# KiCad board helios-panel.kicad_pcb (continued)
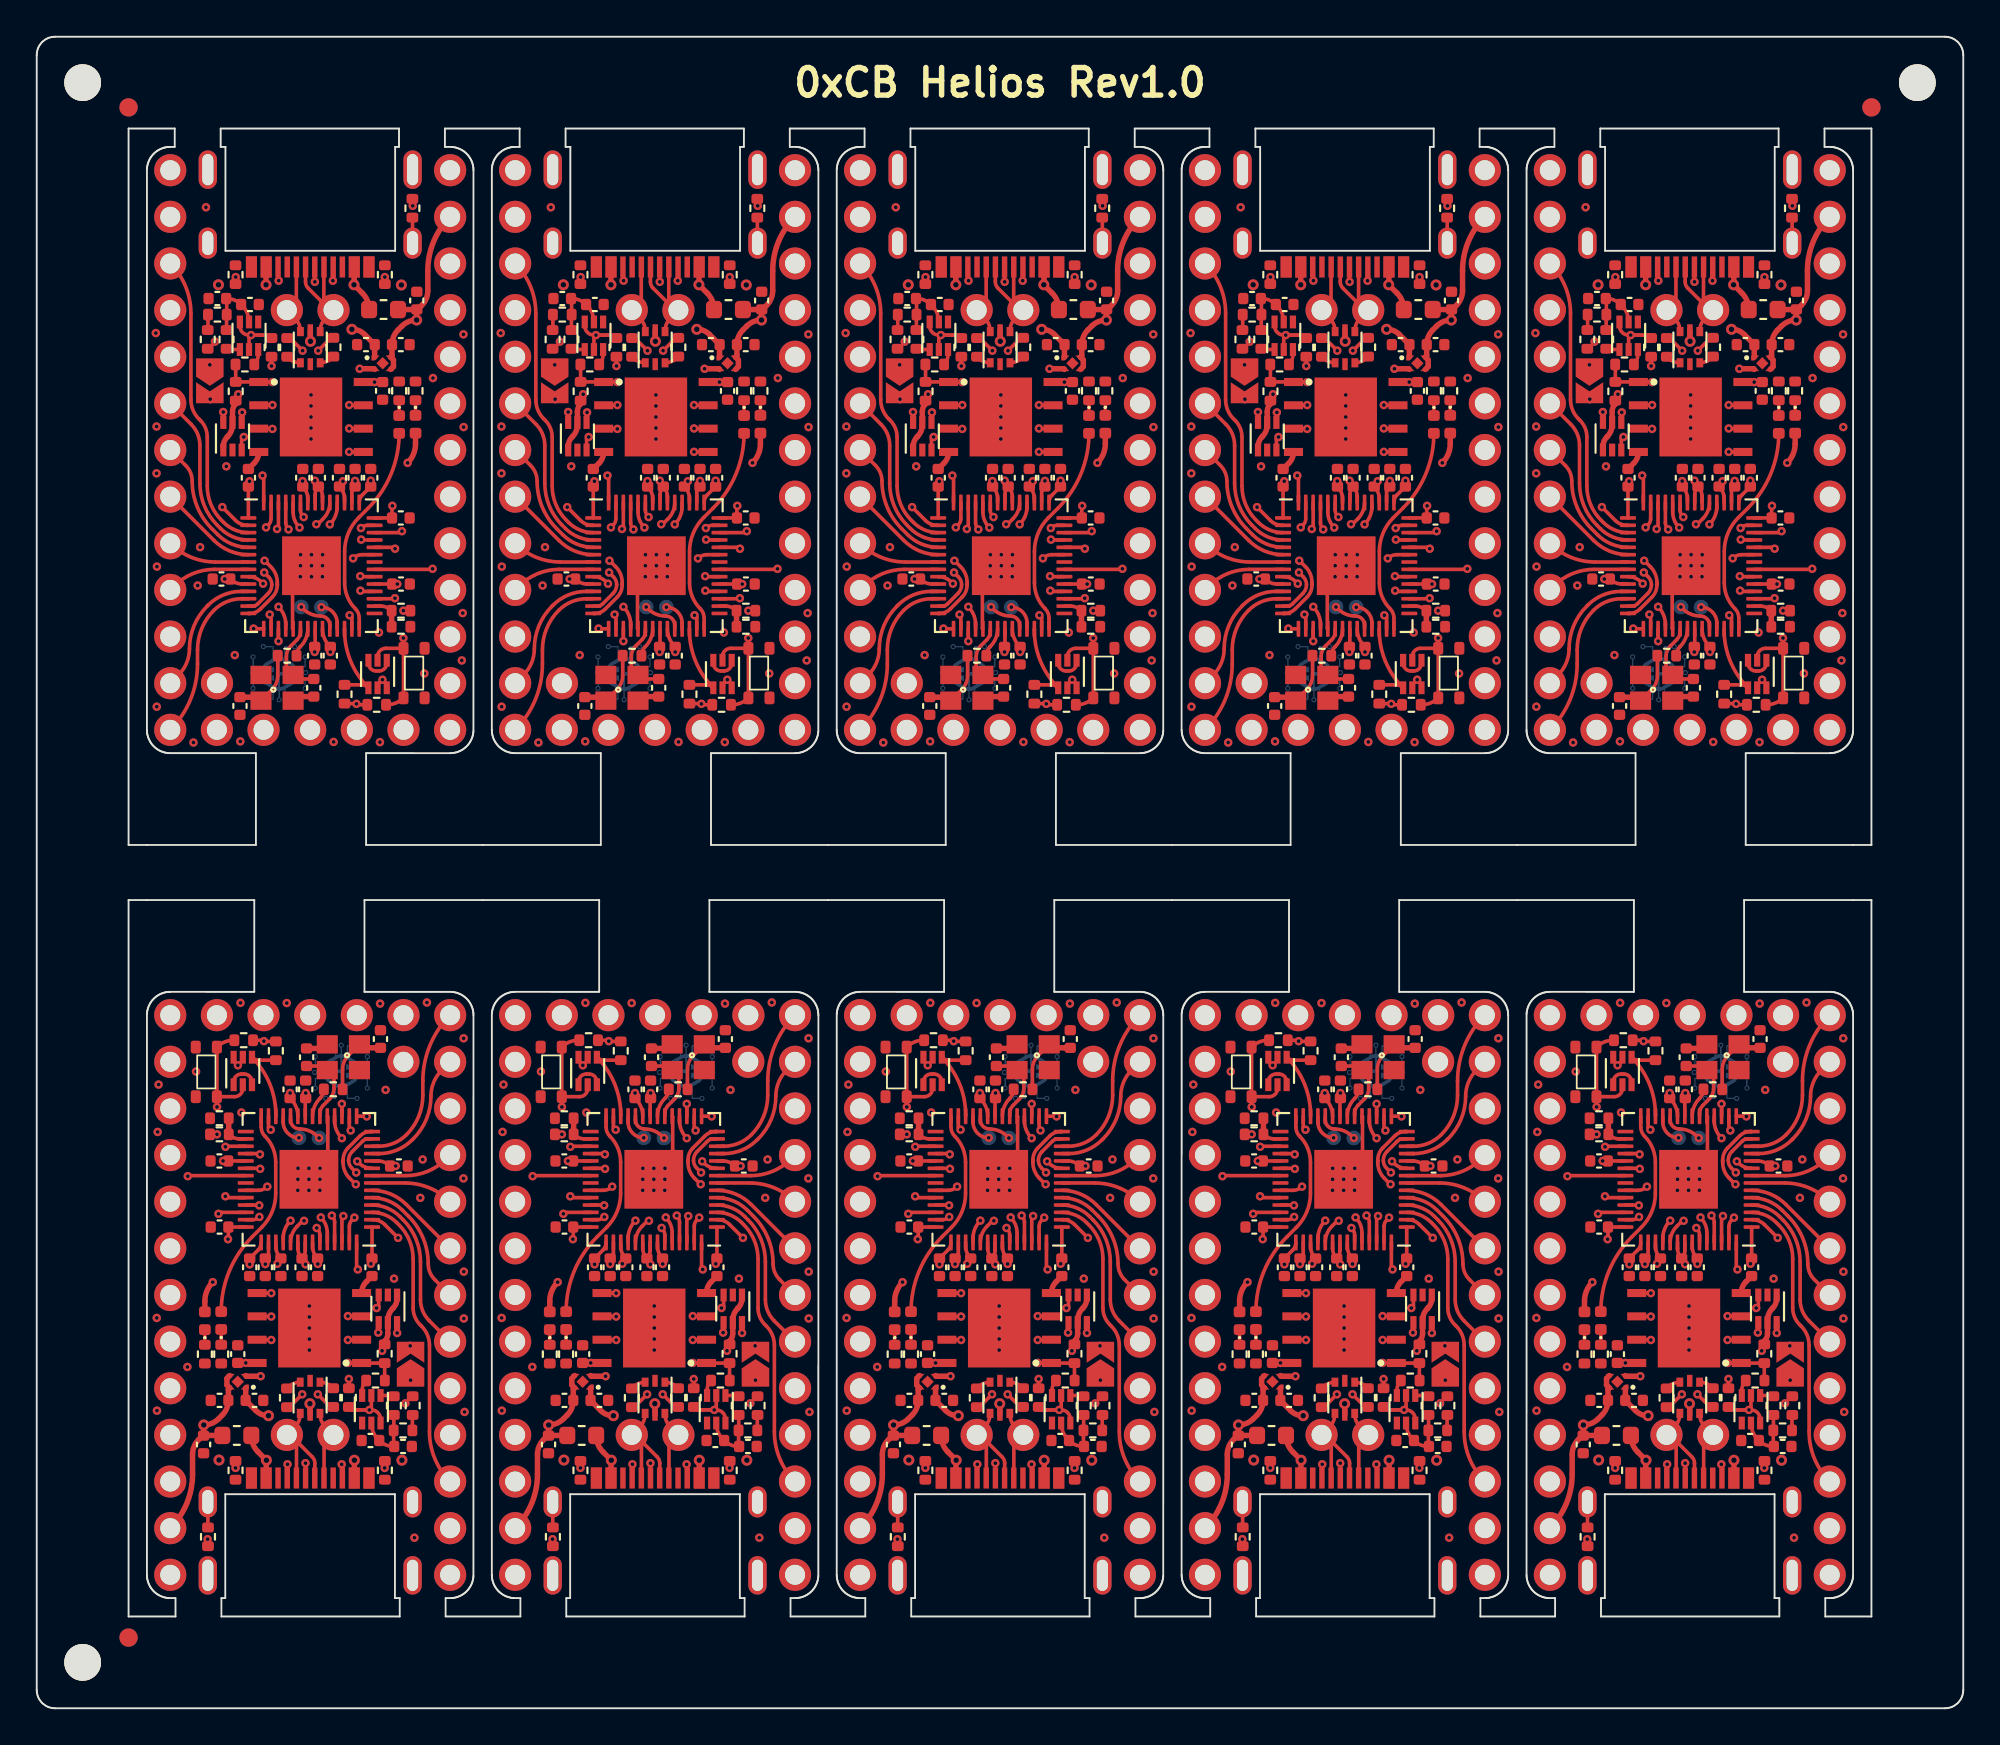
[diagram p0: board, top side]
## Copper pours and planes (outline as drawn; the poured copper is in the pictures) (continued)
Board_1-/15 on In1.Cu: 34.9,54.45 35.04,54.3 35.14,54.16 35.2,54.02 35.24,53.89 35.26,53.77 35.27,53.63 35.28,53.5 35.3,53.35 35.33,53.18 35.38,53 36.52,52.98 36.5,54.12 36.32,54.17 36.15,54.2 36,54.22 35.87,54.23 35.73,54.24 35.61,54.26 35.48,54.3 35.34,54.36 35.2,54.46 35.05,54.6
Board_1-/16 on In1.Cu: 37.46,54.51 37.59,54.34 37.68,54.18 37.74,54.04 37.77,53.9 37.79,53.77 37.8,53.64 37.81,53.5 37.83,53.36 37.87,53.19 37.92,53 39.06,52.98 39.04,54.12 38.86,54.17 38.69,54.2 38.54,54.21 38.4,54.22 38.27,54.24 38.14,54.26 38.01,54.3 37.89,54.37 37.76,54.48 37.62,54.63
Board_1-/20_SDI on In1.Cu: 39.98,59.53 40.12,59.38 40.22,59.24 40.28,59.1 40.32,58.97 40.34,58.85 40.35,58.71 40.36,58.58 40.38,58.43 40.41,58.26 40.46,58.08 41.6,58.06 41.58,59.2 41.4,59.25 41.23,59.28 41.08,59.3 40.95,59.31 40.81,59.32 40.69,59.34 40.56,59.38 40.42,59.44 40.28,59.54 40.13,59.68
Board_1-/21_CS on In1.Cu: 39.98,54.45 40.12,54.3 40.22,54.16 40.28,54.02 40.32,53.89 40.34,53.77 40.35,53.63 40.36,53.5 40.38,53.35 40.41,53.18 40.46,53 41.6,52.98 41.58,54.12 41.4,54.17 41.23,54.2 41.08,54.22 40.95,54.23 40.81,54.24 40.69,54.26 40.56,54.3 40.42,54.36 40.28,54.46 40.13,54.6
Board_1-/22_SCK on In1.Cu: 39.73,61.58 39.91,61.54 40.04,61.48 40.14,61.4 40.21,61.31 40.27,61.2 40.31,61.08 40.35,60.94 40.39,60.8 40.45,60.65 40.52,60.49 41.65,60.65 41.41,61.78 41.21,61.8 41.04,61.81 40.89,61.8 40.75,61.79 40.48,61.76 40.34,61.75 40.17,61.74 39.98,61.75 39.76,61.78
Board_1-/23_SDO on In2.Cu: 40.25,57.26 40.31,57.04 40.34,56.86 40.36,56.69 40.37,56.55 40.37,56.41 40.37,56.28 40.37,56.14 40.38,55.99 40.4,55.82 40.44,55.63 41.57,55.49 41.66,56.62 41.49,56.69 41.34,56.73 41.19,56.76 41.05,56.79 40.92,56.82 40.8,56.86 40.69,56.92 40.59,57.01 40.51,57.14 40.44,57.32
Board_1-/A0 on In1.Cu: 39.58,63.06 39.81,63.04 40,63.01 40.16,62.97 40.3,62.91 40.42,62.85 40.55,62.78 40.68,62.72 40.82,62.66 40.99,62.61 41.19,62.58 41.7,63.6 40.67,64.07 40.55,63.94 40.46,63.82 40.3,63.6 40.22,63.5 40.13,63.42 40.03,63.35 39.91,63.3 39.77,63.27 39.58,63.26
Board_1-/A1 on In1.Cu: 40.13,64.68 40.28,64.82 40.42,64.92 40.56,64.98 40.69,65.02 40.81,65.04 40.95,65.05 41.08,65.06 41.23,65.08 41.4,65.11 41.58,65.16 41.6,66.3 40.46,66.28 40.41,66.1 40.38,65.93 40.36,65.78 40.35,65.65 40.34,65.51 40.32,65.39 40.28,65.26 40.22,65.12 40.12,64.98 39.98,64.83
Board_1-/A2 on In1.Cu: 40.13,67.22 40.28,67.36 40.42,67.46 40.56,67.52 40.69,67.56 40.81,67.58 40.95,67.59 41.08,67.6 41.23,67.62 41.4,67.65 41.58,67.7 41.6,68.84 40.46,68.82 40.41,68.64 40.38,68.47 40.36,68.32 40.35,68.19 40.34,68.05 40.32,67.93 40.28,67.8 40.22,67.66 40.12,67.52 39.98,67.37
Board_1-/A3 on In1.Cu: 40.14,69.42 40.19,69.64 40.27,69.8 40.37,69.91 40.49,69.99 40.64,70.05 40.8,70.08 40.98,70.11 41.17,70.14 41.37,70.18 41.58,70.24 41.6,71.38 40.42,71.19 40.38,70.98 40.34,70.79 40.29,70.64 40.24,70.49 40.19,70.36 40.13,70.22 40.08,70.07 40.03,69.9 39.98,69.69 39.94,69.45
Board_1-/PORT+ on Top: 33.24,74.98 33.23,75.07 33.21,75.15 33.19,75.23 33.16,75.3 33.13,75.36 33.09,75.42 33.02,75.53 32.13,76.5 32.84,75.39 32.91,75.31 32.94,75.27 32.97,75.22 33,75.17 33.02,75.11 33.03,75.05 33.04,74.98
Board_1-/PORT+ on Top: 32.81,77.74 32.8,77.58 32.77,77.46 32.72,77.35 32.65,77.27 32.57,77.2 32.47,77.15 32.36,77.1 32.24,77.04 32.12,76.99 31.98,76.92 32.14,75.79 33.28,76.15 33.27,76.35 33.25,76.51 33.22,76.66 33.18,76.79 33.15,76.91 33.11,77.04 33.07,77.18 33.04,77.33 33.02,77.52 33.02,77.74
Board_1-/PORT+ on In1.Cu: 33.65,77.38 33.5,77.24 33.36,77.15 33.23,77.09 33.11,77.06 32.98,77.05 32.85,77.05 32.72,77.05 32.57,77.05 32.41,77.04 32.22,77.01 32.05,75.88 33.18,75.76 33.26,75.94 33.31,76.1 33.35,76.25 33.4,76.52 33.43,76.65 33.47,76.79 33.54,76.93 33.65,77.07 33.79,77.24
Board_1-/PORT- on Top: 34.31,77.73 34.31,77.51 34.29,77.33 34.26,77.17 34.23,77.03 34.19,76.91 34.15,76.78 34.12,76.65 34.09,76.51 34.07,76.35 34.06,76.15 35.2,75.8 35.34,76.93 35.21,76.99 35.08,77.05 34.96,77.1 34.86,77.15 34.76,77.2 34.68,77.27 34.61,77.35 34.56,77.45 34.53,77.57 34.52,77.73
Board_1-/PORT- on Top: 33.54,77.22 33.69,77.06 33.79,76.91 33.86,76.77 33.91,76.64 33.94,76.51 33.99,76.23 34.03,76.08 34.08,75.92 34.16,75.74 35.29,75.89 35.1,77.01 34.92,77.04 34.76,77.04 34.61,77.04 34.48,77.04 34.35,77.04 34.22,77.05 34.1,77.08 33.97,77.14 33.83,77.23 33.68,77.36
Board_1-/PORT- on Top: 34.31,74.98 34.32,75.05 34.33,75.11 34.35,75.17 34.38,75.22 34.41,75.27 34.44,75.31 34.51,75.38 35.2,76.5 34.32,75.53 34.25,75.42 34.22,75.36 34.19,75.3 34.16,75.23 34.13,75.15 34.12,75.07 34.11,74.98
Board_1-/RESET on In2.Cu: 40.37,74.68 40.46,74.85 40.56,74.98 40.67,75.06 40.78,75.12 40.9,75.16 41.03,75.19 41.17,75.21 41.32,75.24 41.48,75.28 41.65,75.35 41.57,76.48 40.44,76.37 40.4,76.17 40.38,76 40.37,75.85 40.38,75.71 40.38,75.58 40.38,75.45 40.36,75.3 40.33,75.15 40.27,74.97 40.19,74.77
Board_1-/RGB_5V on In2.Cu: 28.88,57.57 28.78,57.37 28.68,57.21 28.58,57.09 28.48,56.98 28.38,56.89 28.28,56.8 28.18,56.7 28.07,56.59 27.97,56.46 27.85,56.29 28.55,55.39 29.42,56.12 29.35,56.29 29.27,56.43 29.19,56.56 29.12,56.68 29.05,56.79 29,56.9 28.97,57.02 28.96,57.16 28.99,57.31 29.06,57.49
Board_1-GND on Top, Bottom: 21.51,89.23 46.01,89.23 46.01,49.73 21.51,49.73
Board_1-Net-(C8-Pad2) on Top: 30.02,54.92 30.12,54.92 30.2,54.9 30.27,54.88 30.33,54.85 30.38,54.82 30.42,54.77 30.47,54.72 30.56,54.61 30.62,54.54 31.22,54.79 30.96,55.38 30.84,55.37 30.75,55.35 30.66,55.33 30.59,55.31 30.51,55.29 30.44,55.27 30.35,55.25 30.26,55.23 30.15,55.22 30.02,55.22
Board_1-Net-(C8-Pad2) on Top: 31.75,55.93 31.7,55.79 31.63,55.69 31.56,55.61 31.48,55.55 31.39,55.51 31.3,55.47 31.19,55.45 31.08,55.42 30.96,55.39 30.83,55.35 30.81,54.7 31.46,54.72 31.51,54.86 31.56,54.98 31.61,55.08 31.65,55.18 31.74,55.36 31.78,55.46 31.83,55.57 31.89,55.7 31.94,55.87
Board_1-Net-(FB1-Pad1) on Top: 39.14,80.79 39.13,80.68 39.12,80.58 39.1,80.5 39.06,80.43 39.03,80.37 38.98,80.31 38.94,80.25 38.89,80.18 38.84,80.11 38.79,80.01 39.25,79.55 39.69,80.02 39.64,80.11 39.59,80.19 39.54,80.26 39.5,80.31 39.45,80.37 39.42,80.43 39.39,80.5 39.36,80.58 39.35,80.68 39.34,80.79
Board_2-+3V3 on In1.Cu, In2.Cu: 39.28,88.23 63.78,88.23 63.78,48.73 39.28,48.73
Board_2-+5V on Top: 59.26,79.71 59.34,79.88 59.43,80.01 59.52,80.11 59.63,80.17 59.74,80.22 59.86,80.26 59.99,80.29 60.13,80.32 60.28,80.37 60.44,80.44 60.35,81.57 59.22,81.43 59.18,81.23 59.16,81.07 59.15,80.92 59.15,80.78 59.15,80.65 59.14,80.51 59.13,80.37 59.1,80.21 59.06,80.03 58.98,79.82
Board_2-/0_TX0 on In1.Cu: 45.64,79.65 45.55,79.82 45.49,79.98 45.47,80.12 45.47,80.26 45.5,80.38 45.54,80.51 45.58,80.65 45.63,80.8 45.67,80.96 45.7,81.15 44.68,81.64 44.22,80.6 44.37,80.46 44.51,80.36 44.64,80.28 44.88,80.14 44.99,80.06 45.11,79.97 45.23,79.86 45.35,79.72 45.48,79.54
Board_2-/1_RX0 on Top: 45.84,77.24 45.78,77.46 45.74,77.65 45.72,77.81 45.72,77.95 45.73,78.09 45.73,78.22 45.74,78.36 45.74,78.51 45.72,78.68 45.69,78.88 44.56,79.03 44.45,77.9 44.61,77.83 44.77,77.79 44.92,77.75 45.05,77.72 45.18,77.69 45.3,77.64 45.4,77.58 45.5,77.48 45.58,77.35 45.66,77.18
Board_2-/2_SDA1 on Top: 46.49,69.21 46.41,69.5 46.33,69.74 46.24,69.95 46.16,70.13 46.07,70.29 45.99,70.45 45.91,70.62 45.83,70.8 45.75,71.02 45.68,71.29 44.52,71.38 44.54,70.24 44.79,70.17 45.03,70.11 45.26,70.06 45.46,70.02 45.65,69.96 45.82,69.88 45.97,69.77 46.1,69.62 46.21,69.42 46.3,69.16
Board_2-/3_SCL1 on Top: 46.12,66.92 46.1,67.15 46.06,67.35 46.02,67.51 45.96,67.66 45.91,67.79 45.86,67.92 45.81,68.06 45.76,68.21 45.73,68.38 45.7,68.59 44.52,68.84 44.54,67.7 44.74,67.65 44.94,67.61 45.12,67.58 45.3,67.55 45.46,67.51 45.61,67.46 45.73,67.38 45.82,67.27 45.89,67.11 45.92,66.91
Board_2-/4 on Top: 46.14,64.83 46,64.98 45.9,65.12 45.84,65.26 45.8,65.39 45.78,65.51 45.77,65.65 45.76,65.78 45.74,65.93 45.71,66.1 45.66,66.28 44.52,66.3 44.54,65.16 44.72,65.11 44.89,65.08 45.04,65.06 45.17,65.05 45.31,65.04 45.43,65.02 45.56,64.98 45.7,64.92 45.84,64.82 45.99,64.68
Board_2-/5 on Top: 46.35,62.66 46.18,62.73 46.05,62.81 45.95,62.9 45.88,63 45.84,63.12 45.8,63.24 45.77,63.38 45.73,63.52 45.68,63.68 45.62,63.84 44.48,63.72 44.65,62.59 44.85,62.56 45.02,62.54 45.17,62.54 45.31,62.55 45.44,62.56 45.58,62.57 45.73,62.57 45.89,62.56 46.08,62.53 46.3,62.47
Board_2-/6 on Top: 46.24,61.97 46.03,61.91 45.84,61.87 45.68,61.85 45.54,61.84 45.41,61.84 45.27,61.84 45.14,61.83 44.99,61.82 44.82,61.8 44.62,61.76 44.49,60.63 45.63,60.55 45.69,60.71 45.73,60.87 45.76,61.02 45.79,61.16 45.81,61.3 45.85,61.42 45.91,61.53 46,61.62 46.13,61.71 46.31,61.78
Board_2-/7 on In2.Cu: 46.52,58.76 46.33,58.7 46.17,58.69 46.04,58.7 45.91,58.74 45.8,58.8 45.69,58.87 45.58,58.95 45.45,59.03 45.31,59.11 45.14,59.19 44.39,58.33 45.28,57.62 45.44,57.72 45.58,57.83 45.69,57.93 45.78,58.03 45.88,58.13 45.97,58.22 46.08,58.31 46.22,58.4 46.38,58.49 46.59,58.57
Board_2-/8 on Top: 45.73,57.28 45.67,57.1 45.59,56.97 45.5,56.88 45.39,56.83 45.26,56.79 45.13,56.77 44.98,56.75 44.83,56.73 44.66,56.7 44.49,56.64 44.54,55.5 45.68,55.63 45.72,55.83 45.75,55.99 45.77,56.14 45.78,56.27 45.81,56.53 45.82,56.67 45.84,56.83 45.87,57.01 45.92,57.23
Board_2-/9 on Top: 45.74,54.76 45.65,54.59 45.55,54.47 45.44,54.38 45.33,54.32 45.21,54.28 45.08,54.25 44.95,54.23 44.8,54.2 44.64,54.15 44.47,54.09 44.55,52.95 45.68,53.07 45.72,53.27 45.74,53.44 45.75,53.59 45.74,53.73 45.74,53.86 45.74,54 45.75,54.14 45.78,54.3 45.84,54.47 45.92,54.68
Board_2-/10 on In2.Cu: 45.88,82.35 45.8,82.56 45.76,82.74 45.74,82.9 45.73,83.04 45.73,83.18 45.74,83.31 45.74,83.45 45.74,83.6 45.72,83.77 45.68,83.97 44.55,84.11 44.46,82.98 44.62,82.91 44.78,82.86 44.93,82.83 45.06,82.8 45.19,82.77 45.31,82.73 45.42,82.67 45.52,82.57 45.61,82.45 45.69,82.27
Board_2-/11 on In1.Cu: 59.22,82.27 59.3,82.44 59.39,82.57 59.49,82.66 59.59,82.73 59.71,82.77 59.84,82.8 59.98,82.83 60.12,82.86 60.28,82.91 60.44,82.98 60.35,84.11 59.22,83.97 59.18,83.77 59.16,83.6 59.16,83.45 59.16,83.31 59.17,83.18 59.17,83.04 59.17,82.9 59.15,82.74 59.1,82.55 59.03,82.34
Board_2-/12 on In1.Cu: 48.35,54.73 48.24,54.56 48.13,54.44 48.02,54.36 47.9,54.31 47.78,54.27 47.65,54.25 47.51,54.23 47.36,54.2 47.2,54.16 47.03,54.1 47.08,52.96 48.21,53.06 48.26,53.25 48.28,53.42 48.29,53.57 48.29,53.84 48.3,53.97 48.32,54.11 48.36,54.26 48.42,54.43 48.53,54.63
Board_2-/13 on In1.Cu: 49.81,55.04 49.8,54.83 49.77,54.66 49.72,54.52 49.65,54.4 49.58,54.3 49.49,54.2 49.4,54.09 49.31,53.97 49.21,53.84 49.12,53.67 49.91,52.85 50.7,53.67 50.61,53.84 50.51,53.97 50.42,54.09 50.33,54.2 50.24,54.3 50.17,54.4 50.1,54.52 50.05,54.66 50.02,54.83 50.01,55.04
Board_2-/14 on In1.Cu: 51.32,54.65 51.42,54.45 51.48,54.28 51.51,54.12 51.53,53.98 51.54,53.85 51.53,53.72 51.53,53.58 51.54,53.43 51.56,53.26 51.6,53.06 52.74,52.96 52.8,54.09 52.63,54.16 52.47,54.2 52.32,54.23 52.18,54.25 52.05,54.27 51.93,54.31 51.82,54.37 51.71,54.45 51.6,54.58 51.5,54.74
Board_2-/15 on In1.Cu: 53.68,54.45 53.82,54.3 53.92,54.16 53.98,54.02 54.02,53.89 54.04,53.77 54.05,53.63 54.06,53.5 54.08,53.35 54.11,53.18 54.16,53 55.3,52.98 55.28,54.12 55.1,54.17 54.93,54.2 54.78,54.22 54.65,54.23 54.51,54.24 54.39,54.26 54.26,54.3 54.12,54.36 53.98,54.46 53.83,54.6
Board_2-/16 on In1.Cu: 56.24,54.51 56.37,54.34 56.46,54.18 56.52,54.04 56.55,53.9 56.57,53.77 56.58,53.64 56.59,53.5 56.61,53.36 56.65,53.19 56.7,53 57.84,52.98 57.82,54.12 57.64,54.17 57.47,54.2 57.32,54.21 57.18,54.22 57.05,54.24 56.92,54.26 56.79,54.3 56.67,54.37 56.54,54.48 56.4,54.63
Board_2-/20_SDI on In1.Cu: 58.76,59.53 58.9,59.38 59,59.24 59.06,59.1 59.1,58.97 59.12,58.85 59.13,58.71 59.14,58.58 59.16,58.43 59.19,58.26 59.24,58.08 60.38,58.06 60.36,59.2 60.18,59.25 60.01,59.28 59.86,59.3 59.73,59.31 59.59,59.32 59.47,59.34 59.34,59.38 59.2,59.44 59.06,59.54 58.91,59.68
Board_2-/21_CS on In1.Cu: 58.76,54.45 58.9,54.3 59,54.16 59.06,54.02 59.1,53.89 59.12,53.77 59.13,53.63 59.14,53.5 59.16,53.35 59.19,53.18 59.24,53 60.38,52.98 60.36,54.12 60.18,54.17 60.01,54.2 59.86,54.22 59.73,54.23 59.59,54.24 59.47,54.26 59.34,54.3 59.2,54.36 59.06,54.46 58.91,54.6
Board_2-/22_SCK on In1.Cu: 58.51,61.58 58.69,61.54 58.82,61.48 58.92,61.4 58.99,61.31 59.05,61.2 59.09,61.08 59.13,60.94 59.17,60.8 59.23,60.65 59.3,60.49 60.43,60.65 60.19,61.78 59.99,61.8 59.82,61.81 59.67,61.8 59.53,61.79 59.26,61.76 59.12,61.75 58.95,61.74 58.76,61.75 58.54,61.78
Board_2-/23_SDO on In2.Cu: 59.03,57.26 59.09,57.04 59.12,56.86 59.14,56.69 59.15,56.55 59.15,56.41 59.15,56.28 59.15,56.14 59.16,55.99 59.18,55.82 59.22,55.63 60.35,55.49 60.44,56.62 60.27,56.69 60.12,56.73 59.97,56.76 59.83,56.79 59.7,56.82 59.58,56.86 59.47,56.92 59.37,57.01 59.29,57.14 59.22,57.32
Board_2-/A0 on In1.Cu: 58.36,63.06 58.59,63.04 58.78,63.01 58.94,62.97 59.08,62.91 59.2,62.85 59.33,62.78 59.46,62.72 59.6,62.66 59.77,62.61 59.97,62.58 60.48,63.6 59.45,64.07 59.33,63.94 59.24,63.82 59.08,63.6 59,63.5 58.91,63.42 58.81,63.35 58.69,63.3 58.55,63.27 58.36,63.26
Board_2-/A1 on In1.Cu: 58.91,64.68 59.06,64.82 59.2,64.92 59.34,64.98 59.47,65.02 59.59,65.04 59.73,65.05 59.86,65.06 60.01,65.08 60.18,65.11 60.36,65.16 60.38,66.3 59.24,66.28 59.19,66.1 59.16,65.93 59.14,65.78 59.13,65.65 59.12,65.51 59.1,65.39 59.06,65.26 59,65.12 58.9,64.98 58.76,64.83
Board_2-/A2 on In1.Cu: 58.91,67.22 59.06,67.36 59.2,67.46 59.34,67.52 59.47,67.56 59.59,67.58 59.73,67.59 59.86,67.6 60.01,67.62 60.18,67.65 60.36,67.7 60.38,68.84 59.24,68.82 59.19,68.64 59.16,68.47 59.14,68.32 59.13,68.19 59.12,68.05 59.1,67.93 59.06,67.8 59,67.66 58.9,67.52 58.76,67.37
Board_2-/A3 on In1.Cu: 58.92,69.42 58.97,69.64 59.05,69.8 59.15,69.91 59.27,69.99 59.42,70.05 59.58,70.08 59.76,70.11 59.95,70.14 60.15,70.18 60.36,70.24 60.38,71.38 59.2,71.19 59.16,70.98 59.12,70.79 59.07,70.64 59.02,70.49 58.97,70.36 58.91,70.22 58.86,70.07 58.81,69.9 58.76,69.69 58.72,69.45
Board_2-/PORT+ on Top: 52.02,74.98 52.01,75.07 51.99,75.15 51.97,75.23 51.94,75.3 51.91,75.36 51.87,75.42 51.8,75.53 50.91,76.5 51.62,75.39 51.69,75.31 51.72,75.27 51.75,75.22 51.78,75.17 51.8,75.11 51.81,75.05 51.82,74.98
Board_2-/PORT+ on Top: 51.59,77.74 51.58,77.58 51.55,77.46 51.5,77.35 51.43,77.27 51.35,77.2 51.25,77.15 51.14,77.1 51.02,77.04 50.9,76.99 50.76,76.92 50.92,75.79 52.06,76.15 52.05,76.35 52.03,76.51 52,76.66 51.96,76.79 51.93,76.91 51.89,77.04 51.85,77.18 51.82,77.33 51.8,77.52 51.8,77.74
Board_2-/PORT+ on In1.Cu: 52.43,77.38 52.28,77.24 52.14,77.15 52.01,77.09 51.89,77.06 51.76,77.05 51.63,77.05 51.5,77.05 51.35,77.05 51.19,77.04 51,77.01 50.83,75.88 51.96,75.76 52.04,75.94 52.09,76.1 52.13,76.25 52.18,76.52 52.21,76.65 52.25,76.79 52.32,76.93 52.43,77.07 52.57,77.24
Board_2-/PORT- on Top: 53.09,77.73 53.09,77.51 53.07,77.33 53.04,77.17 53.01,77.03 52.97,76.91 52.93,76.78 52.9,76.65 52.87,76.51 52.85,76.35 52.84,76.15 53.98,75.8 54.12,76.93 53.99,76.99 53.86,77.05 53.74,77.1 53.64,77.15 53.54,77.2 53.46,77.27 53.39,77.35 53.34,77.45 53.31,77.57 53.3,77.73
Board_2-/PORT- on Top: 52.32,77.22 52.47,77.06 52.57,76.91 52.64,76.77 52.69,76.64 52.72,76.51 52.77,76.23 52.81,76.08 52.86,75.92 52.94,75.74 54.07,75.89 53.88,77.01 53.7,77.04 53.54,77.04 53.39,77.04 53.26,77.04 53.13,77.04 53,77.05 52.88,77.08 52.75,77.14 52.61,77.23 52.46,77.36
Board_2-/PORT- on Top: 53.09,74.98 53.1,75.05 53.11,75.11 53.13,75.17 53.16,75.22 53.19,75.27 53.22,75.31 53.29,75.38 53.98,76.5 53.1,75.53 53.03,75.42 53,75.36 52.97,75.3 52.94,75.23 52.91,75.15 52.9,75.07 52.89,74.98
Board_2-/RESET on In2.Cu: 59.15,74.68 59.24,74.85 59.34,74.98 59.45,75.06 59.56,75.12 59.68,75.16 59.81,75.19 59.95,75.21 60.1,75.24 60.26,75.28 60.43,75.35 60.35,76.48 59.22,76.37 59.18,76.17 59.16,76 59.15,75.85 59.16,75.71 59.16,75.58 59.16,75.45 59.14,75.3 59.11,75.15 59.05,74.97 58.97,74.77
Board_2-/RGB_5V on In2.Cu: 47.66,57.57 47.56,57.37 47.46,57.21 47.36,57.09 47.26,56.98 47.16,56.89 47.06,56.8 46.96,56.7 46.85,56.59 46.75,56.46 46.63,56.29 47.33,55.39 48.2,56.12 48.13,56.29 48.05,56.43 47.97,56.56 47.9,56.68 47.83,56.79 47.78,56.9 47.75,57.02 47.74,57.16 47.77,57.31 47.84,57.49
Board_2-GND on Top, Bottom: 40.28,89.23 64.78,89.23 64.78,49.73 40.28,49.73
Board_2-Net-(C8-Pad2) on Top: 48.8,54.92 48.9,54.92 48.98,54.9 49.05,54.88 49.11,54.85 49.16,54.82 49.2,54.77 49.25,54.72 49.34,54.61 49.4,54.54 50,54.79 49.74,55.38 49.62,55.37 49.53,55.35 49.44,55.33 49.37,55.31 49.29,55.29 49.22,55.27 49.13,55.25 49.04,55.23 48.93,55.22 48.8,55.22
Board_2-Net-(C8-Pad2) on Top: 50.53,55.93 50.48,55.79 50.41,55.69 50.34,55.61 50.26,55.55 50.17,55.51 50.08,55.47 49.97,55.45 49.86,55.42 49.74,55.39 49.61,55.35 49.59,54.7 50.24,54.72 50.29,54.86 50.34,54.98 50.39,55.08 50.43,55.18 50.52,55.36 50.56,55.46 50.61,55.57 50.67,55.7 50.72,55.87
Board_2-Net-(FB1-Pad1) on Top: 57.92,80.79 57.91,80.68 57.9,80.58 57.88,80.5 57.84,80.43 57.81,80.37 57.76,80.31 57.72,80.25 57.67,80.18 57.62,80.11 57.57,80.01 58.03,79.55 58.47,80.02 58.42,80.11 58.37,80.19 58.32,80.26 58.28,80.31 58.23,80.37 58.2,80.43 58.17,80.5 58.14,80.58 58.13,80.68 58.12,80.79
Board_3-+3V3 on In1.Cu, In2.Cu: 58.06,88.23 82.56,88.23 82.56,48.73 58.06,48.73
Board_3-+5V on Top: 78.04,79.71 78.12,79.88 78.21,80.01 78.3,80.11 78.41,80.17 78.52,80.22 78.64,80.26 78.77,80.29 78.91,80.32 79.06,80.37 79.22,80.44 79.13,81.57 78,81.43 77.96,81.23 77.94,81.07 77.93,80.92 77.93,80.78 77.93,80.65 77.92,80.51 77.91,80.37 77.88,80.21 77.84,80.03 77.76,79.82
Board_3-/0_TX0 on In1.Cu: 64.42,79.65 64.33,79.82 64.27,79.98 64.25,80.12 64.25,80.26 64.28,80.38 64.32,80.51 64.36,80.65 64.41,80.8 64.45,80.96 64.48,81.15 63.46,81.64 63,80.6 63.15,80.46 63.29,80.36 63.42,80.28 63.66,80.14 63.77,80.06 63.89,79.97 64.01,79.86 64.13,79.72 64.26,79.54
Board_3-/1_RX0 on Top: 64.62,77.24 64.56,77.46 64.52,77.65 64.5,77.81 64.5,77.95 64.51,78.09 64.51,78.22 64.52,78.36 64.52,78.51 64.5,78.68 64.47,78.88 63.34,79.03 63.23,77.9 63.39,77.83 63.55,77.79 63.7,77.75 63.83,77.72 63.96,77.69 64.08,77.64 64.18,77.58 64.28,77.48 64.36,77.35 64.44,77.18
Board_3-/2_SDA1 on Top: 65.27,69.21 65.19,69.5 65.11,69.74 65.02,69.95 64.94,70.13 64.85,70.29 64.77,70.45 64.69,70.62 64.61,70.8 64.53,71.02 64.46,71.29 63.3,71.38 63.32,70.24 63.57,70.17 63.81,70.11 64.04,70.06 64.24,70.02 64.43,69.96 64.6,69.88 64.75,69.77 64.88,69.62 64.99,69.42 65.08,69.16
Board_3-/3_SCL1 on Top: 64.9,66.92 64.88,67.15 64.84,67.35 64.8,67.51 64.74,67.66 64.69,67.79 64.64,67.92 64.59,68.06 64.54,68.21 64.51,68.38 64.48,68.59 63.3,68.84 63.32,67.7 63.52,67.65 63.72,67.61 63.9,67.58 64.08,67.55 64.24,67.51 64.39,67.46 64.51,67.38 64.6,67.27 64.67,67.11 64.7,66.91
Board_3-/4 on Top: 64.92,64.83 64.78,64.98 64.68,65.12 64.62,65.26 64.58,65.39 64.56,65.51 64.55,65.65 64.54,65.78 64.52,65.93 64.49,66.1 64.44,66.28 63.3,66.3 63.32,65.16 63.5,65.11 63.67,65.08 63.82,65.06 63.95,65.05 64.09,65.04 64.21,65.02 64.34,64.98 64.48,64.92 64.62,64.82 64.77,64.68
Board_3-/5 on Top: 65.13,62.66 64.96,62.73 64.83,62.81 64.73,62.9 64.66,63 64.62,63.12 64.58,63.24 64.55,63.38 64.51,63.52 64.46,63.68 64.4,63.84 63.26,63.72 63.43,62.59 63.63,62.56 63.8,62.54 63.95,62.54 64.09,62.55 64.22,62.56 64.36,62.57 64.51,62.57 64.67,62.56 64.86,62.53 65.08,62.47
Board_3-/6 on Top: 65.02,61.97 64.81,61.91 64.62,61.87 64.46,61.85 64.32,61.84 64.19,61.84 64.05,61.84 63.92,61.83 63.77,61.82 63.6,61.8 63.4,61.76 63.27,60.63 64.41,60.55 64.47,60.71 64.51,60.87 64.54,61.02 64.57,61.16 64.59,61.3 64.63,61.42 64.69,61.53 64.78,61.62 64.91,61.71 65.09,61.78
Board_3-/7 on In2.Cu: 65.3,58.76 65.11,58.7 64.95,58.69 64.82,58.7 64.69,58.74 64.58,58.8 64.47,58.87 64.36,58.95 64.23,59.03 64.09,59.11 63.92,59.19 63.17,58.33 64.06,57.62 64.22,57.72 64.36,57.83 64.47,57.93 64.56,58.03 64.66,58.13 64.75,58.22 64.86,58.31 65,58.4 65.16,58.49 65.37,58.57
Board_3-/8 on Top: 64.51,57.28 64.45,57.1 64.37,56.97 64.28,56.88 64.17,56.83 64.04,56.79 63.91,56.77 63.76,56.75 63.61,56.73 63.44,56.7 63.27,56.64 63.32,55.5 64.46,55.63 64.5,55.83 64.53,55.99 64.55,56.14 64.56,56.27 64.59,56.53 64.6,56.67 64.62,56.83 64.65,57.01 64.7,57.23
Board_3-/9 on Top: 64.52,54.76 64.43,54.59 64.33,54.47 64.22,54.38 64.11,54.32 63.99,54.28 63.86,54.25 63.73,54.23 63.58,54.2 63.42,54.15 63.25,54.09 63.33,52.95 64.46,53.07 64.5,53.27 64.52,53.44 64.53,53.59 64.52,53.73 64.52,53.86 64.52,54 64.53,54.14 64.56,54.3 64.62,54.47 64.7,54.68
Board_3-/10 on In2.Cu: 64.66,82.35 64.58,82.56 64.54,82.74 64.52,82.9 64.51,83.04 64.51,83.18 64.52,83.31 64.52,83.45 64.52,83.6 64.5,83.77 64.46,83.97 63.33,84.11 63.24,82.98 63.4,82.91 63.56,82.86 63.71,82.83 63.84,82.8 63.97,82.77 64.09,82.73 64.2,82.67 64.3,82.57 64.39,82.45 64.47,82.27
Board_3-/11 on In1.Cu: 78,82.27 78.08,82.44 78.17,82.57 78.27,82.66 78.37,82.73 78.49,82.77 78.62,82.8 78.76,82.83 78.9,82.86 79.06,82.91 79.22,82.98 79.13,84.11 78,83.97 77.96,83.77 77.94,83.6 77.94,83.45 77.94,83.31 77.95,83.18 77.95,83.04 77.95,82.9 77.93,82.74 77.88,82.55 77.81,82.34
Board_3-/12 on In1.Cu: 67.13,54.73 67.02,54.56 66.91,54.44 66.8,54.36 66.68,54.31 66.56,54.27 66.43,54.25 66.29,54.23 66.14,54.2 65.98,54.16 65.81,54.1 65.86,52.96 66.99,53.06 67.04,53.25 67.06,53.42 67.07,53.57 67.07,53.84 67.08,53.97 67.1,54.11 67.14,54.26 67.2,54.43 67.31,54.63
Board_3-/13 on In1.Cu: 68.59,55.04 68.58,54.83 68.55,54.66 68.5,54.52 68.43,54.4 68.36,54.3 68.27,54.2 68.18,54.09 68.09,53.97 67.99,53.84 67.9,53.67 68.69,52.85 69.48,53.67 69.39,53.84 69.29,53.97 69.2,54.09 69.11,54.2 69.02,54.3 68.95,54.4 68.88,54.52 68.83,54.66 68.8,54.83 68.79,55.04
Board_3-/14 on In1.Cu: 70.1,54.65 70.2,54.45 70.26,54.28 70.29,54.12 70.31,53.98 70.32,53.85 70.31,53.72 70.31,53.58 70.32,53.43 70.34,53.26 70.38,53.06 71.52,52.96 71.58,54.09 71.41,54.16 71.25,54.2 71.1,54.23 70.96,54.25 70.83,54.27 70.71,54.31 70.6,54.37 70.49,54.45 70.38,54.58 70.28,54.74
Board_3-/15 on In1.Cu: 72.46,54.45 72.6,54.3 72.7,54.16 72.76,54.02 72.8,53.89 72.82,53.77 72.83,53.63 72.84,53.5 72.86,53.35 72.89,53.18 72.94,53 74.08,52.98 74.06,54.12 73.88,54.17 73.71,54.2 73.56,54.22 73.43,54.23 73.29,54.24 73.17,54.26 73.04,54.3 72.9,54.36 72.76,54.46 72.61,54.6
Board_3-/16 on In1.Cu: 75.02,54.51 75.15,54.34 75.24,54.18 75.3,54.04 75.33,53.9 75.35,53.77 75.36,53.64 75.37,53.5 75.39,53.36 75.43,53.19 75.48,53 76.62,52.98 76.6,54.12 76.42,54.17 76.25,54.2 76.1,54.21 75.96,54.22 75.83,54.24 75.7,54.26 75.57,54.3 75.45,54.37 75.32,54.48 75.18,54.63
Board_3-/20_SDI on In1.Cu: 77.54,59.53 77.68,59.38 77.78,59.24 77.84,59.1 77.88,58.97 77.9,58.85 77.91,58.71 77.92,58.58 77.94,58.43 77.97,58.26 78.02,58.08 79.16,58.06 79.14,59.2 78.96,59.25 78.79,59.28 78.64,59.3 78.51,59.31 78.37,59.32 78.25,59.34 78.12,59.38 77.98,59.44 77.84,59.54 77.69,59.68
Board_3-/21_CS on In1.Cu: 77.54,54.45 77.68,54.3 77.78,54.16 77.84,54.02 77.88,53.89 77.9,53.77 77.91,53.63 77.92,53.5 77.94,53.35 77.97,53.18 78.02,53 79.16,52.98 79.14,54.12 78.96,54.17 78.79,54.2 78.64,54.22 78.51,54.23 78.37,54.24 78.25,54.26 78.12,54.3 77.98,54.36 77.84,54.46 77.69,54.6
Board_3-/22_SCK on In1.Cu: 77.29,61.58 77.47,61.54 77.6,61.48 77.7,61.4 77.77,61.31 77.83,61.2 77.87,61.08 77.91,60.94 77.95,60.8 78.01,60.65 78.08,60.49 79.21,60.65 78.97,61.78 78.77,61.8 78.6,61.81 78.45,61.8 78.31,61.79 78.04,61.76 77.9,61.75 77.73,61.74 77.54,61.75 77.32,61.78
Board_3-/23_SDO on In2.Cu: 77.81,57.26 77.87,57.04 77.9,56.86 77.92,56.69 77.93,56.55 77.93,56.41 77.93,56.28 77.93,56.14 77.94,55.99 77.96,55.82 78,55.63 79.13,55.49 79.22,56.62 79.05,56.69 78.9,56.73 78.75,56.76 78.61,56.79 78.48,56.82 78.36,56.86 78.25,56.92 78.15,57.01 78.07,57.14 78,57.32
Board_3-/A0 on In1.Cu: 77.14,63.06 77.37,63.04 77.56,63.01 77.72,62.97 77.86,62.91 77.98,62.85 78.11,62.78 78.24,62.72 78.38,62.66 78.55,62.61 78.75,62.58 79.26,63.6 78.23,64.07 78.11,63.94 78.02,63.82 77.86,63.6 77.78,63.5 77.69,63.42 77.59,63.35 77.47,63.3 77.33,63.27 77.14,63.26
Board_3-/A1 on In1.Cu: 77.69,64.68 77.84,64.82 77.98,64.92 78.12,64.98 78.25,65.02 78.37,65.04 78.51,65.05 78.64,65.06 78.79,65.08 78.96,65.11 79.14,65.16 79.16,66.3 78.02,66.28 77.97,66.1 77.94,65.93 77.92,65.78 77.91,65.65 77.9,65.51 77.88,65.39 77.84,65.26 77.78,65.12 77.68,64.98 77.54,64.83
Board_3-/A2 on In1.Cu: 77.69,67.22 77.84,67.36 77.98,67.46 78.12,67.52 78.25,67.56 78.37,67.58 78.51,67.59 78.64,67.6 78.79,67.62 78.96,67.65 79.14,67.7 79.16,68.84 78.02,68.82 77.97,68.64 77.94,68.47 77.92,68.32 77.91,68.19 77.9,68.05 77.88,67.93 77.84,67.8 77.78,67.66 77.68,67.52 77.54,67.37
Board_3-/A3 on In1.Cu: 77.7,69.42 77.75,69.64 77.83,69.8 77.93,69.91 78.05,69.99 78.2,70.05 78.36,70.08 78.54,70.11 78.73,70.14 78.93,70.18 79.14,70.24 79.16,71.38 77.98,71.19 77.94,70.98 77.9,70.79 77.85,70.64 77.8,70.49 77.75,70.36 77.69,70.22 77.64,70.07 77.59,69.9 77.54,69.69 77.5,69.45
Board_3-/PORT+ on Top: 70.8,74.98 70.79,75.07 70.77,75.15 70.75,75.23 70.72,75.3 70.69,75.36 70.65,75.42 70.58,75.53 69.69,76.5 70.4,75.39 70.47,75.31 70.5,75.27 70.53,75.22 70.56,75.17 70.58,75.11 70.59,75.05 70.6,74.98
Board_3-/PORT+ on Top: 70.38,77.74 70.36,77.58 70.33,77.46 70.28,77.35 70.21,77.27 70.13,77.2 70.03,77.15 69.92,77.1 69.8,77.04 69.68,76.99 69.54,76.92 69.7,75.79 70.84,76.15 70.83,76.35 70.81,76.51 70.78,76.66 70.74,76.79 70.71,76.91 70.67,77.04 70.63,77.18 70.6,77.33 70.58,77.52 70.58,77.74